# Altium PCB DIOT_temperature_logger.PcbDoc (part 8 of 8) (continued)
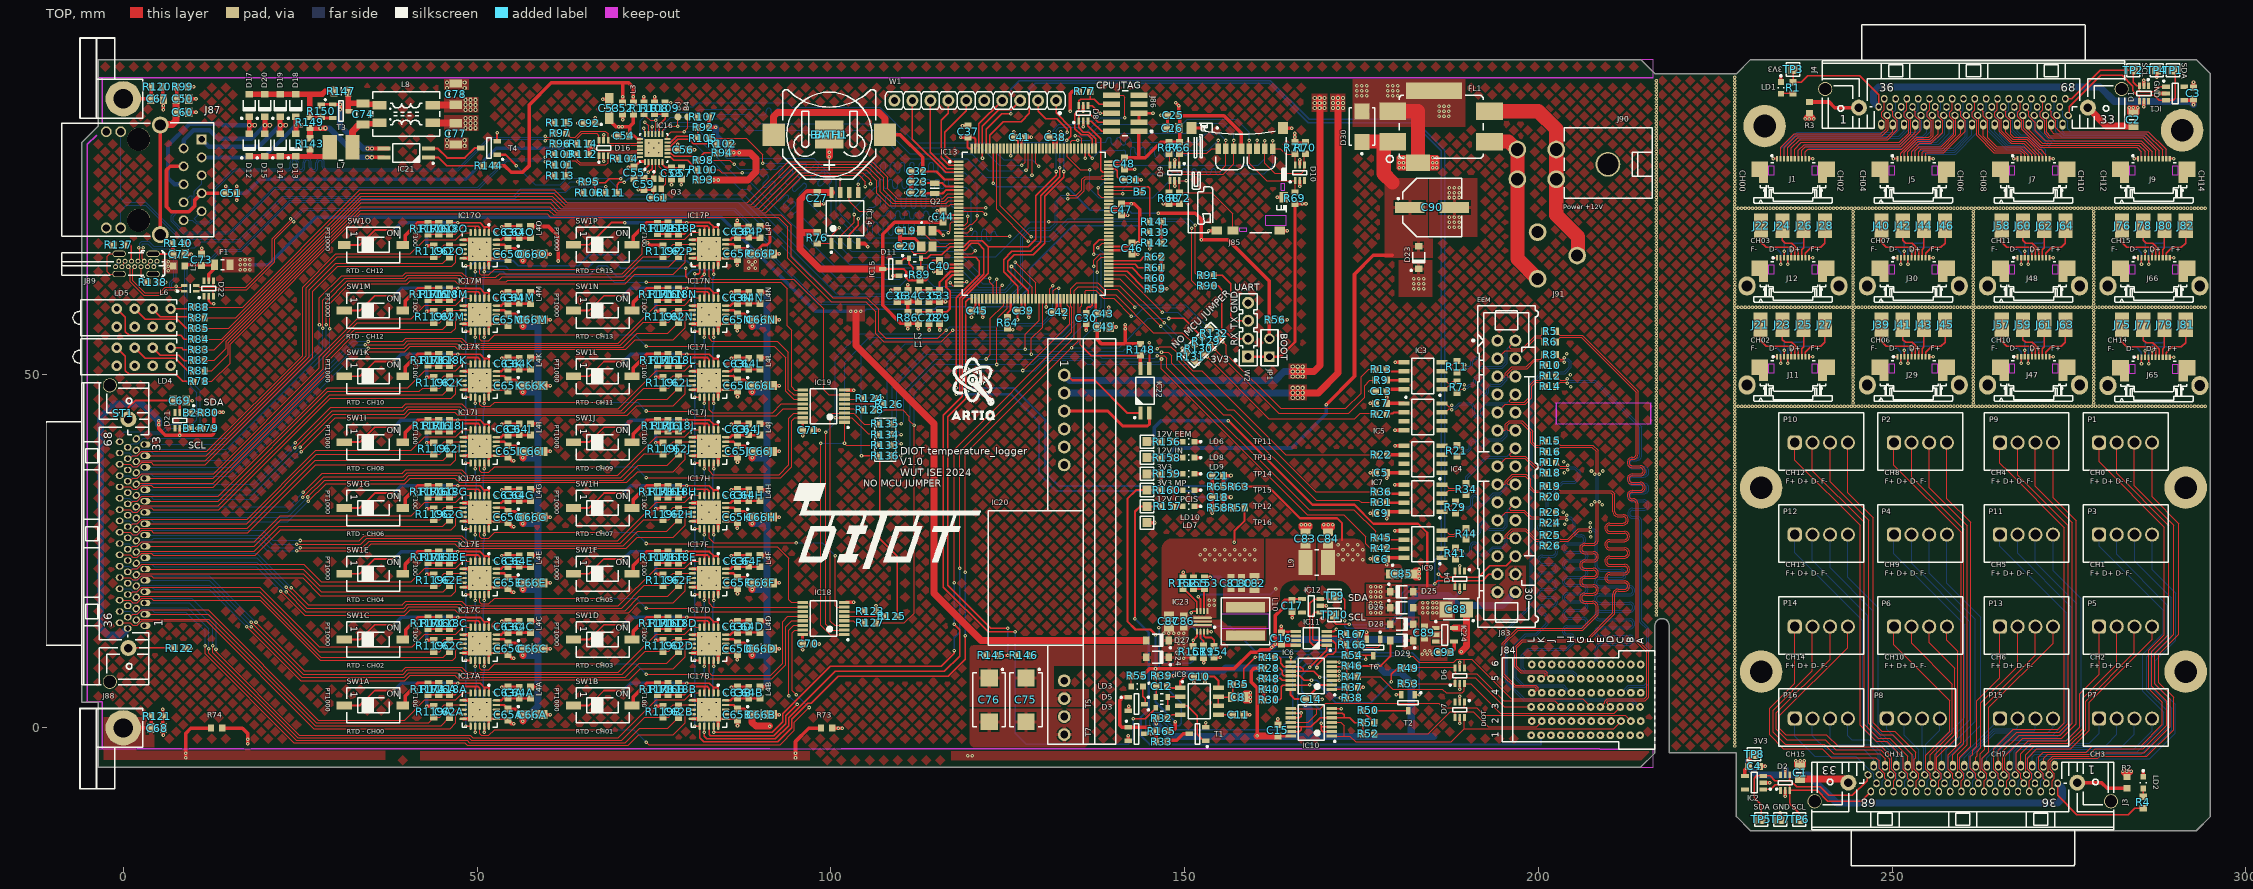
[diagram p0: TOP view]
## Nets (pads, with @x,y where several pads share a name; then routed paths per layer and width w, separated by ;. In a path a pad name is that pad's centre, name@x,y a point inside that pad or via, vN(x,y) a via of type N, cw(c..) or ccw(c..) an arc to the next point about the centre after c; other vN are vias at no path point) (continued)
  BOT w0.16: v1(2.186,67.85) 2.186,67.942 2.343,68.099 2.343,68.47 2.62,68.746 3.593,68.746 4.308,68.031 6.855,68.031 7.461,67.424 7.461,63.431 6.871,62.841 6.871,62.349 6.965,62.255 7.206,62.255 7.363,62.412 v1(7.455,62.412)
V_RTDA: C63A.2 C64A.2 IC17A.20 L4A.1 | length 5
  TOP w0.35: IC17A.20@52.73,3.875 53.405,3.875 53.705,4.175
  TOP w0.4: 53.705,4.175 L4A.1@57.58,4.175
V_RTDB: C63B.2 C64B.2 IC17B.20 L4B.1 | length 5
  TOP w0.35: IC17B.20@85.13,3.875 85.805,3.875 86.105,4.175 L4B.1@89.98,4.175
V_RTDC: C63C.2 C64C.2 IC17C.20 L4C.1 | length 5
  TOP w0.35: IC17C.20@52.73,13.175 53.405,13.175 53.705,13.475
  TOP w0.4: 53.705,13.475 L4C.1@57.58,13.475
V_RTDD: C63D.2 C64D.2 IC17D.20 L4D.1 | length 5
  TOP w0.35: IC17D.20@85.13,13.175 85.805,13.175 86.105,13.475 L4D.1@89.98,13.475
V_RTDE: C63E.2 C64E.2 IC17E.20 L4E.1 | length 5
  TOP w0.35: IC17E.20@52.73,22.475 53.405,22.475 53.705,22.775
  TOP w0.4: 53.705,22.775 L4E.1@57.58,22.775
V_RTDF: C63F.2 C64F.2 IC17F.20 L4F.1 | length 5
  TOP w0.35: IC17F.20@85.13,22.475 85.805,22.475 86.105,22.775 L4F.1@89.98,22.775
V_RTDG: C63G.2 C64G.2 IC17G.20 L4G.1 | length 5
  TOP w0.35: IC17G.20@52.73,31.775 53.405,31.775 53.705,32.075
  TOP w0.4: 53.705,32.075 L4G.1@57.58,32.075
V_RTDH: C63H.2 C64H.2 IC17H.20 L4H.1 | length 5
  TOP w0.35: IC17H.20@85.13,31.775 85.805,31.775 86.105,32.075 L4H.1@89.98,32.075
V_RTDI: C63I.2 C64I.2 IC17I.20 L4I.1 | length 5
  TOP w0.35: IC17I.20@52.73,41.075 53.405,41.075 53.705,41.375
  TOP w0.4: 53.705,41.375 L4I.1@57.58,41.375
V_RTDJ: C63J.2 C64J.2 IC17J.20 L4J.1 | length 5
  TOP w0.35: IC17J.20@85.13,41.075 85.805,41.075 86.105,41.375 L4J.1@89.98,41.375
V_RTDK: C63K.2 C64K.2 IC17K.20 L4K.1 | length 5
  TOP w0.35: IC17K.20@52.73,50.375 53.405,50.375 53.705,50.675
  TOP w0.4: 53.705,50.675 L4K.1@57.58,50.675
V_RTDL: C63L.2 C64L.2 IC17L.20 L4L.1 | length 5
  TOP w0.35: IC17L.20@85.13,50.375 85.805,50.375 86.105,50.675 L4L.1@89.98,50.675
V_RTDM: C63M.2 C64M.2 IC17M.20 L4M.1 | length 5
  TOP w0.35: IC17M.20@52.73,59.675 53.405,59.675 53.705,59.975
  TOP w0.4: 53.705,59.975 L4M.1@57.58,59.975
V_RTDN: C63N.2 C64N.2 IC17N.20 L4N.1 | length 5
  TOP w0.35: IC17N.20@85.13,59.675 85.805,59.675 86.105,59.975 L4N.1@89.98,59.975
V_RTDO: C63O.2 C64O.2 IC17O.20 L4O.1 | length 5
  TOP w0.35: IC17O.20@52.73,68.95 53.405,68.95 53.705,69.25
  TOP w0.4: 53.705,69.25 L4O.1@57.58,69.25
V_RTDP: C63P.2 C64P.2 IC17P.20 L4P.1 | length 5
  TOP w0.35: 85.805,68.975 86.105,69.275 L4P.1@89.98,69.275
  TOP w0.4: IC17P.20@85.13,68.975 85.805,68.975
VBAT: BATH1.1 C32.2 IC13.6 | length 35.3
  TOP w0.3: C32.2@112.98,78.65 113.005,78.625 114.93,78.625 116.055,77.5 IC13.6@118.055,77.5
  TOP w0.5: BATH1.1@107.653,83.85 109.755,83.85 112.98,80.625 C32.2@112.98,78.65
  TOP w1: BATH1.1@91.907,83.85 91.907,86.408 92.449,86.95 106.805,86.95 107.653,86.102 BATH1.1@107.653,83.85
VBUS: J89.A4 J89.A9 J89.B4 J89.B9 L5.2 | length 2
  TOP w0.152: J89.B9@-0.19,65.17 J89.A4@0.26,65.95 ; J89.B4@3.41,65.17 3.84,65.915 J89.A9@3.86,65.95 J89.A9@3.78,65.95
  BOT w0.3: v1@6.38,64.512 v1@6.38,64.625
  other v1: 6.33,64.625 5.83,64.965 6.33,65.25 5.83,65.525 6.33,65.875
VC+: C77.2 IC20.1 IC22.1 L8.3 | length 219
  TOP w0.254: IC20.1@132.98,49.856 133.408,49.856 134.139,49.125
  TOP w0.3: 134.139,49.125 137.28,49.125 141.905,44.5 IC22.1@143.745,44.5
  TOP w1: L8.3@43.73,85.48 C77.2@46.98,85.48 ; v3@165.281,50.35 v3@165.98,50.35 ; v3@165.981,50.35 168.272,50.35 169.13,51.207 v3@169.13,87.6 ; v3(169.08,87.6) v3(169.081,88.3) v3@169.08,89.001
  MID1 w1: v3(48.38,85.451) v3(49.08,85.45) v3(49.78,85.45) 51.63,85.45 57.555,91.375 167.88,91.375 169.055,90.2 v3@169.055,89.025
  BOT w1: IC20.1@132.98,49.856 133.736,49.1 162.805,49.1 164.055,50.35 165.281,50.35 v3@166.68,50.35 ; v3@169.08,87.601 v3(169.081,88.3) v3@169.08,89
  other v3: 165.28,49.649 165.98,49.648 166.68,49.648 165.281,50.349 165.981,50.349 166.681,50.348 165.281,51.049 165.981,51.048 166.681,51.048 48.38,84.751 49.08,84.75 49.78,84.75 48.38,86.15 49.08,86.15 49.78,86.15 168.38,87.601 169.78,87.6 168.381,88.301 169.781,88.3 168.381,89.001 169.082,89 169.781,89
VC-: C78.2 IC20.2 L8.4 | length 212.5
  TOP w1: L8.4@43.73,88.02 C78.2@46.98,88.02 ; v3(165.281,47.349) 168.905,47.35 171.68,50.125 v3@171.68,89
  MID1 w1: v3@48.38,88.05 51.03,88.05 55.805,92.825 169.255,92.825 171.68,90.4 v3@171.68,89
  BOT w1: IC20.2@132.98,47.316 v3@166.68,47.316 ; v3(171.68,87.6) v3@171.68,89
  other v3: 165.28,46.65 165.98,46.649 166.68,46.649 165.981,47.349 166.681,47.348 165.281,48.049 165.981,48.049 166.681,48.048 48.379,87.35 49.079,87.35 49.779,87.349 170.98,87.601 172.379,87.599 48.38,88.05 49.08,88.05 49.78,88.049 170.981,88.301 171.68,88.3 172.38,88.3 48.38,88.75 49.08,88.75 49.78,88.749 170.981,89.001 171.681,89 172.381,89
VDDA: C28.2 C29.2 IC13.33 L1.2 | length 10.9
  TOP w0.3: L1.2@112.38,58.75 C28.2@113.88,58.75 C29.2@115.38,58.75 116.355,58.75 116.805,59.2 116.805,61.75 116.305,62.25 116.305,63.15 117.155,64 IC13.33@118.055,64
VDDCR: C57.2 C58.2 IC16.6 | length 3.3
  TOP w0.3: IC16.6@76.23,80.05 76.23,79.6 76.68,79.15 C58.2@77.48,79.15 ; C58.2@77.53,79.1 C57.2@78.93,79.1
VIN: C86.2 C87.2 D23.1 D24.1 D25.1 D26.1 D27.1 IC23.1 R57.2 R151.2 R154.1 | length 15.7
  TOP w0.254: v1@150.106,9.93 150.126,9.95 R151.2@151.18,9.95
  TOP w0.3: v1(157.03,26.225) 157.03,27.825 158.48,29.275 R57.2@158.48,31.1
  TOP w0.5: R154.1@154.18,9.95 v1(155.005,9.95)
  BOT w0.254: 149.605,14.4 151.005,14.4 152.43,12.975 152.43,11.167 153.647,9.95 v1(155.005,9.95)
  other v1: 149.18,9.85 149.88,9.85 149.18,10.55 149.88,10.55 149.18,11.25 149.88,11.25 149.18,11.95 149.88,11.95 149.18,12.65 149.88,12.65 147.08,13.35 147.78,13.35 148.48,13.35 149.18,13.35 149.88,13.35 176.28,16.25 176.98,16.25 177.68,16.25 176.28,16.95 176.98,16.95 177.68,16.95 176.28,17.65 176.98,17.65 177.68,17.65 176.28,18.55 176.98,18.55 177.68,18.55 176.28,19.25 176.98,19.25 177.68,19.25 176.28,19.95 176.98,19.95 177.68,19.95 182.38,62.05 183.08,62.05 183.78,62.05 182.38,62.75 183.08,62.75 183.78,62.75 182.38,63.45 183.08,63.45 183.78,63.45
VREF+: C33.2 C35.2 IC13.32 L2.1 | length 7.4
  TOP w0.3: L2.1@112.38,61.85 C33.2@115.38,61.85 115.38,62.975 116.905,64.5 IC13.32@118.055,64.5
XTAL_IN: C19.2 IC13.23 Q1.1 | length 7.2
  TOP w0.171: C19.2@111.38,70.25 Q1.1@112.78,70.25 114.03,69 IC13.23@118.055,69
pads on no net: D1.1 D1.6 D2.1 D2.6 D4.1 D4.6 D7.3 D10.3 D21.3 D21.4 D22.1 D22.6 IC1.5 IC2.5 IC4.1 IC4.2 IC4.7 IC5.3 IC5.5 IC5.6 IC12.5 IC13.7 IC13.29 IC13.34 IC13.49 IC13.70 IC13.74 IC13.87 IC13.88 IC13.89 IC13.90 IC13.92 IC13.93 IC13.96 IC13.97 IC13.118 IC13.119 IC13.122 IC13.123 IC13.124 IC13.125 IC13.132 IC17A.17 IC17A.18 IC17B.17 IC17B.18 IC17C.17 IC17C.18 IC17D.17 IC17D.18 IC17E.17 IC17E.18 IC17F.17 IC17F.18 IC17G.17 IC17G.18 IC17H.17 IC17H.18 IC17I.17 IC17I.18 IC17J.17 IC17J.18 IC17K.17 IC17K.18 IC17L.17 IC17L.18 IC17M.17 IC17M.18 IC17N.17 IC17N.18 IC17O.17 IC17O.18 IC17P.17 IC17P.18 IC20.4 IC20.5 IC20.6 IC20.9 J1.MECH J2.MECH J3.71 J3.72 J4.71 J4.72 J5.MECH J6.MECH J7.MECH J8.MECH J9.MECH J10.MECH J11.MECH J12.MECH J29.MECH J30.MECH J47.MECH J48.MECH J65.MECH J66.MECH J84.A5 J84.B1 J84.B5 J84.B6 J84.C6 J84.D5 J84.E2 J84.E4 J84.E5 J84.F2 J84.F4 J84.G3 J84.H2 J84.H3 J84.H6 J84.I2 J84.I6 J84.J3 J84.K3 J84.K6 J84.L2 J84.L6 J86.7 J86.9 J87.MH1 J87.MH2 J88.71 J88.72 J90.5 J91.2

## Polygon pours and split planes (outlines as drawn)
no net on TOP "COPPER_BALLANCE_TOP" (solid, pour order 253): -6.12,94.501 227.465,94.5 227.465,-5.55 -6.12,-5.55
STRIP2 on TOP "esd1" (solid, pour order 252): 79.931,-4.55 96.998,-4.55 96.998,-3.281 41.998,-3.281 41.998,-4.55
STRIP3 on TOP "STRIP3_L01_P251" (solid, pour order 251): 214.531,-4.55 214.548,-4.55 215.788,-3.31 116.998,-3.31 116.998,-4.55
CHASSIS on TOP "esd1" (solid, pour order 247): -2.752,1.525 4.373,1.525 4.373,-3 36.998,-3 36.998,-4.5 -2.752,-4.5
GND on TOP "GND_L01_P241" (solid, pour order 241): 45.355,91.79 45.355,89.58 48.84,89.58 48.84,91.79
GND on TOP "GND_L01_P242" (solid, pour order 242): 48.72,81.71 48.72,83.54 45.355,83.54 45.355,81.71
GND on TOP "GND_L01_P148" (solid, remove dead copper, pour order 148): 135.555,-2.8 ccw(c135.567,-1.913) 136.455,-1.925 136.455,2.729 119.605,2.729 119.605,-1.925 ccw(c120.48,-1.925) 120.48,-2.8
GND on TOP "TOP-GND" (solid, remove dead copper, pour order 145): 161.18,26.75 161.18,20.4 154.48,20.4 154.48,15.05 146.755,15.05 146.755,25.075 cw(c148.355,25.175) 148.056,26.75
P12V0_EEM on TOP "P12V0_EEM_L01_P144" (solid, remove dead copper, pour order 144): 190.905,18.175 192.543,16.537 198.18,16.537 198.18,22.925 195.955,22.925 195.32,22.29 195.32,21.16 194.485,20.325 180.68,20.325 180.68,18.175
P12V0_POE on TOP "TOP-P12V0_POE" (solid, remove dead copper, pour order 149): 120.221,11.666 ccw(c120.221,11.05) 119.605,11.05 119.605,2.75 136.455,2.75 136.455,5.475 131.53,5.475 131.53,8.8 146.18,8.8 146.18,11.666
VBUS on TOP "VBUS_L01_P199" (solid, pour order 199): 5.563,66.25 7.68,66.25 7.68,64.25 5.563,64.25
P3V3 on TOP "P3V3_L01_P196" (solid, remove dead copper, pour order 196): 87.68,67.7 87.68,64.425 89.83,64.425 89.83,67.7
P12V0_CPCIS on TOP "P12V0_CPCIS_L01_P156" (solid, remove dead copper, pour order 156): 184.78,12.675 186.28,12.675 186.28,13.75 183.23,13.75 183.23,15.825 180.68,15.825 180.68,18 187.405,18 187.405,11.6 184.78,11.6
GND on TOP "GND_L01_P136" (solid, remove dead copper, pour order 136): 188.205,18 184.805,18 184.805,15.3 188.205,15.3
P3V3 on TOP "TOP-P3V3" (solid, remove dead copper, pour order 159): 173.605,15.089 ccw(c175.094,15.089) 175.094,13.6 180.68,13.6 180.68,15.725 175.505,15.725 175.505,20.475 180.68,20.475 180.68,22.625 ccw(c180.205,22.625) 180.205,23.1 176.005,23.1 cw(c176.005,23.6) 175.505,23.6 175.505,25.125 ccw(c173.93,25.175) 173.98,26.75 168.83,26.75 168.83,20.825 171.605,20.825 cw(c171.605,18.825) 173.605,18.825
GND on TOP "GND_L01_P139" (solid, remove dead copper, pour order 139): 186.28,13.65 186.28,12.675 184.78,12.675 184.78,11.6 187.105,11.6 187.105,9.45 183.317,9.45 183.317,13.65
P3V3_MP on TOP "P3V3_MP_L01_P140" (solid, remove dead copper, pour order 140): 180.817,15.7 180.817,11.025 183.18,11.025 183.18,15.7
VIN on TOP "VIN_L01_P143" (solid, remove dead copper, pour order 143): 175.655,20.325 175.655,18.175 180.68,18.175 180.68,20.325
VIN on TOP "VIN_L01_P153" (solid, remove dead copper, pour order 153): 175.655,18 175.655,15.875 180.68,15.875 180.68,18
3V3 on TOP "TOP-3V3" (solid, remove dead copper, pour order 160): 165.418,20.825 ccw(c165.418,18.837) 163.43,18.837 cw(c161.161,18.594) 161.405,16.325 155.43,16.325 155.43,20.25 161.33,20.25 161.33,26.75 168.528,26.75 168.528,20.825
GND on TOP "GND_L01_P172" (solid, remove dead copper, pour order 172): 173.73,84.95 180.98,84.95 189.68,84.95 189.68,91.925 173.73,91.925
VC- on TOP "VC-_L01_P189" (solid, remove dead copper, pour order 189): 164.73,48.46 164.73,46.3 167.28,46.3 167.28,48.46
VC+ on TOP "VC+_L01_P182" (solid, remove dead copper, pour order 182): 164.73,51.45 164.73,49.3 167.28,49.3 167.28,51.45
5V0_USB on TOP "5V0_USB_L01_P173" (solid, remove dead copper, pour order 173): 104.78,57.475 104.78,59.625 102.23,59.625 102.23,57.475
P12V0_IN on TOP "P12V0_IN_L01_P167" (solid, remove dead copper, pour order 167): 178.305,66.45 185.08,66.45 185.08,77.7 178.305,77.7
GND on TOP "GND_L01_P164" (solid, remove dead copper, pour order 164): 184.605,69.4 191.38,69.4 191.38,77.7 184.605,77.7
VC+ on TOP "VC+_L01_P162" (solid, remove dead copper, pour order 162): 167.98,87.05 170.13,87.05 170.13,89.6 167.98,89.6
VC- on TOP "VC-_L01_P163" (solid, remove dead copper, pour order 163): 170.57,87.05 172.73,87.05 172.73,89.6 170.57,89.6
5V0_USB on TOP "5V0_USB_L01_P161" (solid, remove dead copper, pour order 161): 18.53,64.375 18.53,66.525 14.005,66.525 14.005,64.375
NetIC23_2 on TOP "NETIC23_2_L01_P141" (solid, remove dead copper, pour order 141): 155.205,15.275 156.155,14.325 161.505,14.325 161.505,12.325 155.405,12.325 154.18,13.55 154.18,14.35 ccw(c153.705,14.35) 153.705,14.825 151.105,14.825 151.105,15.275
VIN on TOP "VIN_L01_P157" (solid, remove dead copper, pour order 157): 151.03,14.15 ccw(c151.042,13.638) 150.53,13.625 150.53,8.8 146.755,8.8 146.755,15.05 153.855,15.05 153.855,14.125
VC- on TOP "VC-_L01_P150" (solid, remove dead copper, pour order 150): 45.355,89.15 45.355,87 50.18,87 50.18,89.15
VC+ on TOP "VC+_L01_P151" (solid, remove dead copper, pour order 151): 45.355,86.56 45.355,84.4 50.18,84.4 50.18,86.56
VIN on TOP "VIN_L01_P142" (solid, remove dead copper, pour order 142): 180.28,66.1 180.28,60.925 184.98,60.925 184.98,66.1
no net on BOT "COPPER_BALLANCE_BOT" (solid, pour order 181): -6.12,94.501 227.465,94.5 227.465,-5.55 -6.12,-5.55
P3V3 on BOT "P3V3_L04_P179" (solid, remove dead copper, pour order 179): 34.58,57.675 36.48,55.775 36.48,52.45 30.755,46.725 30.757,44.175 30.757,-2.74 178.907,-2.74 178.907,91.875 59.555,91.875 59.555,73.185 32.49,73.185 12.755,53.45 12.755,44.1 15.13,44.1 23.93,52.9 23.93,55.75 25.855,57.675
STRIP3 on BOT "STRIP3_L04_P176" (solid, pour order 176): 214.531,-4.55 214.548,-4.55 215.788,-3.31 116.998,-3.31 116.998,-4.55
STRIP2 on BOT "esd1" (solid, pour order 177): 79.931,-4.55 96.998,-4.55 96.998,-3.281 41.998,-3.281 41.998,-4.55
no net on BOT "esd1" (solid, pour order 178): -2.752,0.94 4.373,0.94 4.373,-3 36.998,-3 36.998,-4.5 -2.752,-4.5
P12V0_CPCIS on BOT "P12V0_CPCIS_L04_P168" (solid, remove dead copper, pour order 168): 187.605,13.05 189.68,10.975 189.68,-5.55 194.417,-5.55 216.519,-5.55 216.519,0.2 195.38,0.2 192.243,3.337 192.243,15.925 188.761,15.925 186.655,18.031 183.631,18.031 ccw(c183.631,17.65) 183.25,17.65 183.25,13.05
VBUS on BOT "VBUS_L04_P165" (solid, remove dead copper, pour order 165): -0.645,62.85 5.705,62.85 6.58,63.725 6.58,66.99 -1.905,66.99 -2.243,66.652 -2.243,64.448
P3V3_CPCIS on BOT "P3V3_CPCIS_L04_P169" (solid, remove dead copper, pour order 169): 187.54,12.75 189.405,10.885 189.405,-2.913 183.25,-2.913 183.25,12.75
VC+ on BOT "VC+_L04_P192" (solid, remove dead copper, pour order 192): 167.98,87.05 170.13,87.05 170.13,89.6 167.98,89.6
VC- on BOT "VC-_L04_P193" (solid, remove dead copper, pour order 193): 170.57,87.05 172.73,87.05 172.73,89.6 170.57,89.6
P3V3_MP on BOT "P3V3_MP_L04_P166" (solid, remove dead copper, pour order 166): 180.817,15.7 183.07,15.7 183.07,11.025 180.817,11.025
VIN on BOT "BOT-VIN" (solid, remove dead copper, pour order 171): 151.28,25.425 cw(c152.63,25.425) 152.63,26.775 159.48,26.775 cw(c159.48,25.075) 161.18,25.075 161.18,22.45 179.022,22.45 181.005,24.444 181.005,64.375 184.53,64.375 184.53,23.825 180.33,19.625 180.33,15.05 150.53,15.05 150.53,9.55 146.755,9.55 146.755,18.475 151.28,23
VC+ on BOT "VC+_L04_P194" (solid, remove dead copper, pour order 194): 164.73,51.45 164.73,49.3 167.28,49.3 167.28,51.45
VC- on BOT "VC-_L04_P197" (solid, remove dead copper, pour order 197): 164.73,48.46 164.73,46.3 167.28,46.3 167.28,48.46
5V0_USB on BOT "5V0_USB_L04_P240" (solid, remove dead copper, pour order 240): 18.53,64.375 18.53,66.525 15.755,66.525 15.755,64.375
VC- on BOT "VC-_L04_P246" (solid, remove dead copper, pour order 246): 47.18,89.15 47.18,87 50.18,87 50.18,89.15
VC+ on BOT "VC+_L04_P250" (solid, remove dead copper, pour order 250): 47.18,86.55 47.18,84.4 50.18,84.4 50.18,86.55
AVDDT_PHY on BOT "AVDDT_PHY_L04_P175" (solid, remove dead copper, pour order 175): 70.755,80.375 71.78,79.35 71.78,77.275 59.555,77.275 59.555,79.2 61.68,79.2 61.68,84.75 59.555,84.75 59.555,86.775 70.755,86.775
GND on MID1 "**00" (solid, remove dead copper, pour order 188): 216.68,-5.595 216.68,94.405 -6.031,94.405 -6.031,-5.595
GND1 on MID1 "GND1_L02_P221" (solid, pour order 221): 227.48,45.45 227.48,-14.6 295.03,-14.6 295.03,45.45 294.48,45.45
GND10 on MID1 "GND10_L02_P211" (solid, pour order 211): 278.48,73.45 278.48,59.45 295.48,59.45 295.48,73.45
GND2 on MID1 "GND2_L02_P203" (solid, pour order 203): 227.48,73.45 295.03,73.45 295.03,94.501 227.48,94.501
GND9 on MID1 "GND9_L02_P222" (solid, pour order 222): 278.48,59.45 278.48,45.45 295.48,45.45 295.48,59.45
GND3 on MID1 "GND3_L02_P213" (solid, pour order 213): 227.48,59.45 227.48,45.45 244.48,45.45 244.48,59.45
GND8 on MID1 "GND8_L02_P209" (solid, pour order 209): 261.48,73.45 261.48,59.45 278.48,59.45 278.48,73.45
GND7 on MID1 "GND7_L02_P217" (solid, pour order 217): 261.48,59.45 261.48,45.45 278.48,45.45 278.48,59.45
GND5 on MID1 "GND5_L02_P215" (solid, pour order 215): 244.48,59.45 244.48,45.45 261.48,45.45 261.48,59.45
GND6 on MID1 "GND6_L02_P207" (solid, pour order 207): 244.48,73.45 244.48,59.45 261.48,59.45 261.48,73.45
GND4 on MID1 "GND4_L02_P204" (solid, pour order 204): 227.48,73.45 227.48,59.45 244.48,59.45 244.48,73.45
VC- on MID1 "VC-_L02_P180" (solid, remove dead copper, pour order 180): 170.57,87.049 172.73,87.049 172.73,89.599 170.57,89.599
VC+ on MID1 "VC+_L02_P185" (solid, remove dead copper, pour order 185): 167.98,87.049 170.13,87.049 170.13,89.599 167.98,89.599
VC+ on MID1 "VC+_L02_P187" (solid, remove dead copper, pour order 187): 47.18,86.55 47.18,84.4 50.18,84.4 50.18,86.55
VC- on MID1 "VC-_L02_P186" (solid, remove dead copper, pour order 186): 47.18,89.15 47.18,87 50.18,87 50.18,89.15
GND on MID2 "GND_L03_P137" (solid, remove dead copper, pour order 137): 216.28,-5.55 216.28,94.45 -5.901,94.45 -5.901,-5.55
GND1 on MID2 "GND1_L03_P224" (solid, pour order 224): 227.48,45.45 227.48,-14.6 295.03,-14.6 295.03,45.45 294.48,45.45
GND10 on MID2 "GND10_L03_P212" (solid, pour order 212): 278.48,73.45 278.48,59.45 295.48,59.45 295.48,73.45
GND2 on MID2 "GND2_L03_P202" (solid, pour order 202): 227.48,73.45 295.03,73.45 295.03,94.501 227.48,94.501
GND9 on MID2 "GND9_L03_P223" (solid, pour order 223): 278.48,59.45 278.48,45.45 295.48,45.45 295.48,59.45
GND3 on MID2 "GND3_L03_P214" (solid, pour order 214): 227.48,59.45 227.48,45.45 244.48,45.45 244.48,59.45
GND8 on MID2 "GND8_L03_P210" (solid, pour order 210): 261.48,73.45 261.48,59.45 278.48,59.45 278.48,73.45
GND7 on MID2 "GND7_L03_P218" (solid, pour order 218): 261.48,59.45 261.48,45.45 278.48,45.45 278.48,59.45
GND5 on MID2 "GND5_L03_P216" (solid, pour order 216): 244.48,59.45 244.48,45.45 261.48,45.45 261.48,59.45
GND6 on MID2 "GND6_L03_P208" (solid, pour order 208): 244.48,73.45 244.48,59.45 261.48,59.45 261.48,73.45
GND4 on MID2 "GND4_L03_P206" (solid, pour order 206): 227.48,73.45 227.48,59.45 244.48,59.45 244.48,73.45

## Keep-outs
TOP:
  lines w0.1: -3.43,91.9 173.21,91.9
KeepOutLayer:
  drawing of 12813 lines, arcs and shapes, not listed

## Other copper
TOP:
  pour cut-out: 155.43,16.325 155.43,15.05 156.155,14.325 161.905,14.325 161.905,16.325
MID2:
  pour cut-out: -3.57,-2.718 216.469,-2.718 216.469,-5.55 -3.57,-5.55
MID1:
  pour cut-out: 92.76,-2.69 93.39,-2.06 100.94,-2.06 101.6,-2.72
  pour cut-out: -3.57,-2.718 216.469,-2.718 216.469,-5.55 -3.57,-5.55
BOT:
  pour cut-out: 96.998,-3.281 96.998,-5.599 116.998,-5.599 116.998,-3.281
  pour cut-out: 36.998,-3.232 36.998,-5.55 41.998,-5.55 41.998,-3.232
  pour cut-out: 126.38,56 126.947,56.567 132.897,56.567 133.468,57.112 136.705,60.35 136.705,67.325 137.555,68.175 139.355,68.175 139.38,68.2 139.38,58.125 141.355,56.15 141.905,56.15 141.905,60.175 152.18,60.175 155.705,56.65 155.705,50.9 130.83,50.9 129.98,50.025 115.78,50.025 114.03,48.275 114.03,38.825 112.65,37.445 99.435,37.445 97.905,38.975 97.905,53.75 100.155,56
  pour cut-out: 76.33,81.8 77.23,82.7 78.955,82.7 102.605,59.05 125.18,59.05 137.055,70.925 139.005,70.925 142.93,74.85 146.355,74.85 148.305,76.8 160.93,76.8 163.08,78.95 163.08,83.6 159.955,86.725 150.13,86.725 149.255,85.85 132.78,85.85 130.13,83.2 112.505,83.2 107.505,88.2 95.38,88.175 94.58,88.975 90.43,88.975 90.005,89.4 76.18,89.4 72.805,86.025 72.805,82.875 73.88,81.8
  pour cut-out: 215.09,-3.211 216.341,-3.211 216.78,-3.65

## Silkscreen, mask and mechanical layers (free items; w line width, h text height)
TopOverlay:
  drawing of 550 lines, arcs and shapes, not listed
  text "SCL" at 285.332,94.023 h0.76 r270
  text "SDA" at 290.932,94.023 h0.76 r270
  text "3V3" at 234.496,93.431 h0.76 r180
  text "GND" at 287.032,91.448 h0.76 r270
  text "CPU JTAG" at 137.505,90.3 h1
  text "CH00" at 228.205,78.8 h1.4 r270
  text "CH02" at 242.005,78.8 h1.4 r270
  text "CH04" at 245.205,78.8 h1.4 r270
  text "CH06" at 259.005,78.8 h1.4 r270
  text "CH08" at 262.205,78.8 h1.4 r270
  text "CH10" at 276.005,78.8 h1.4 r270
  text "CH12" at 279.205,78.8 h1.4 r270
  text "CH14" at 293.05,78.8 h1.4 r270
  text "Power +12V" at 203.53,73.033 h1.14
  text "PT1000" at 60.73,70.752 h1.14 r270
  text "PT1000" at 28.33,70.727 h1.14 r270
  text "PT100" at 73.08,70.75 h1.14 r270
  text "PT100" at 40.68,70.725 h1.14 r270
  text "CH03 / F-      D-      D+     F+" at 229.98,66.975 h1.2
  text "CH07 / F-      D-      D+     F+" at 246.98,66.975 h1.2
  text "CH11 / F-      D-      D+     F+" at 263.98,66.975 h1.2
  text "CH15 / F-      D-      D+     F+" at 280.98,66.975 h1.2
  text "RTD - CH15" at 63.917,63.975 h1.14
  text "RTD - CH12" at 31.53,63.95 h1.14
  text "UART" at 157.005,61.775 h1
  text "PT1000" at 28.33,61.452 h1.14 r270
  text "PT100" at 40.68,61.45 h1.14 r270
  text "PT1000" at 60.73,61.452 h1.14 r270
  text "PT100" at 73.08,61.45 h1.14 r270
  text "EEM" at 191.33,59.883 h1.14
  text "GND" at 157.48,58.575 h1 r90
  text "TX" at 157.505,56.3 h1 r90
  text "BOOT" at 163.58,55.8 h1 r270
  text "RTD - CH12" at 31.53,54.675 h1.14
  text "RTD - CH13" at 63.955,54.675 h1.14
  text "RX" at 157.48,53.975 h1 r90
  text "NO MCU JUMPER" at 148.73,53.475 h1 r45
  text "CH02 / F-      D-      D+     F+" at 229.98,52.975 h1.2
  text "CH06 / F-      D-      D+     F+" at 246.98,52.975 h1.2
  text "CH10 / F-      D-      D+     F+" at 263.98,52.975 h1.2
  text "CH14 / F-      D-      D+     F+" at 280.48,52.938 h1.2
  text "PT1000" at 28.33,52.152 h1.14 r270
  text "PT100" at 40.68,52.15 h1.14 r270
  text "PT1000" at 60.73,52.152 h1.14 r270
  text "PT100" at 73.08,52.15 h1.14 r270
  text "3V3" at 153.68,51.6 h1
  text "SDA" at 11.38,45.525 h1
  text "RTD - CH10" at 31.555,45.375 h1.14
  text "RTD - CH11" at 63.955,45.375 h1.14
  text "PT1000" at 28.33,42.852 h1.14 r270
  text "PT100" at 40.68,42.85 h1.14 r270
  text "PT1000" at 60.73,42.852 h1.14 r270
  text "PT100" at 73.08,42.85 h1.14 r270
  text "12V EEM" at 146.038,41.075 h0.8
  text "SCL" at 9.205,39.475 h1
  text "12V IN" at 146.038,38.7 h0.8
  text "3V3" at 146.038,36.425 h0.8
  text "RTD - CH08" at 31.555,36.075 h1.14
  text "RTD - CH09" at 63.955,36.075 h1.14
  text "DIOT temperature_logger / V1.0 / WUT ISE 2024" at 109.83,35.575 h1.02
  text "CH12 / F+ D+ D- F-" at 234.98,34.199 h1.2
  text "CH8 / F+ D+ D- F-" at 248.98,34.198 h1.2
  text "CH4 / F+ D+ D- F-" at 263.98,34.199 h1.2
  text "CH0 / F+ D+ D- F-" at 277.98,34.199 h1.2
  text "3V3 MP" at 146.038,34.15 h0.8
  text "NO MCU JUMPER" at 104.58,34.05 h1
  text "PT1000" at 28.33,33.552 h1.14 r270
  text "PT100" at 40.68,33.55 h1.14 r270
  text "PT1000" at 60.73,33.552 h1.14 r270
  text "PT100" at 73.08,33.55 h1.14 r270
  text "12V CPCIS" at 146.038,31.875 h0.8
  text "RTD - CH06" at 31.555,26.775 h1.14
  text "RTD - CH07" at 63.955,26.775 h1.14
  text "PT1000" at 28.33,24.252 h1.14 r270
  text "PT100" at 40.68,24.25 h1.14 r270
  text "PT1000" at 60.73,24.252 h1.14 r270
  text "PT100" at 73.08,24.25 h1.14 r270
  text "CH13 / F+ D+ D- F-" at 234.98,21.199 h1.2
  text "CH9 / F+ D+ D- F-" at 248.98,21.199 h1.2
  text "CH5 / F+ D+ D- F-" at 263.98,21.199 h1.2
  text "CH1 / F+ D+ D- F-" at 277.98,21.199 h1.2
  text "SDA" at 173.155,17.9 h1
  text "RTD - CH04" at 31.555,17.475 h1.14
  text "RTD - CH05" at 63.955,17.475 h1.14
  text "SCL" at 173.144,15.144 h1
  text "PT1000" at 28.33,14.952 h1.14 r270
  text "PT100" at 40.68,14.95 h1.14 r270
  text "PT1000" at 60.73,14.952 h1.14 r270
  text "PT100" at 73.08,14.95 h1.14 r270
  text "RTD - CH02" at 31.555,8.175 h1.14
  text "RTD - CH03" at 63.955,8.175 h1.14
  text "CH14 / F+ D+ D- F-" at 234.98,8.15 h1.2
  text "CH10 / F+ D+ D- F-" at 248.98,8.15 h1.2
  text "CH6 / F+ D+ D- F-" at 263.98,8.15 h1.2
  text "CH2 / F+ D+ D- F-" at 277.98,8.15 h1.2
  text "PT1000" at 28.33,5.652 h1.14 r270
  text "PT1000" at 60.73,5.652 h1.14 r270
  text "PT100" at 40.68,5.65 h1.14 r270
  text "PT100" at 73.08,5.65 h1.14 r270
  text "DIOT" at 192.9,0.138 h1.14 r90
  text "RTD - CH01" at 63.955,-1.125 h1.14
  text "RTD - CH00" at 31.555,-1.15 h1.14
  text "3V3" at 230.364,-2.281 h0.76
  text "CH15" at 234.98,-4.378 h1.2
  text "CH11" at 248.98,-4.378 h1.2
  text "CH7" at 263.98,-4.378 h1.2
  text "CH3" at 277.98,-4.378 h1.2
  text "SDA" at 230.432,-11.598 h0.76
  text "GND" at 233.132,-11.598 h0.76
  text "SCL" at 235.832,-11.598 h0.76
BottomOverlay:
  drawing of 542 lines, arcs and shapes, not listed
  text "CH01" at 229.955,78.8 h1.4 r90
  text "CH03" at 243.755,78.8 h1.4 r90
  text "CH05" at 246.955,78.8 h1.4 r90
  text "CH07" at 260.755,78.8 h1.4 r90
  text "CH09" at 263.955,78.8 h1.4 r90
  text "CH11" at 277.755,78.8 h1.4 r90
  text "CH13" at 280.955,78.8 h1.4 r90
  text "CH15" at 294.65,78.8 h1.4 r90
  text "CH01 / F-      D-      D+     F+" at 229.98,66.975 h1.2
  text "CH05 / F-      D-      D+     F+" at 246.98,66.975 h1.2
  text "CH09 / F-      D-      D+     F+" at 263.98,66.975 h1.2
  text "CH13 / F-      D-      D+     F+" at 280.98,66.975 h1.2
  text "CH00 / F-      D-      D+     F+" at 229.98,52.975 h1.2
  text "CH04 / F-      D-      D+     F+" at 246.98,52.975 h1.2
  text "CH08 / F-      D-      D+     F+" at 263.98,52.975 h1.2
  text "CH12 / F-      D-      D+     F+" at 280.98,52.938 h1.2
  text "DIOT temperature_logger / V1.0 / WUT ISE 2024" at 109.705,29 h1.02
TopSolder:
  rectangle: 1.448,-4.947 216.417,-3.15
  rectangle: -0.202,-4.947 1.975,-3.175
  rectangle: -2.379,-4.947 -0.202,-3.15
BottomSolder:
  rectangle: 1.367,-4.947 216.417,-3.15
  rectangle: -0.202,-4.947 1.975,-3.175
  rectangle: -2.379,-4.947 -0.202,-3.15
M1 Bord Milling:
  lines w0.1: 216.469,14.45 cw(c217.469,14.45) 218.469,14.45 218.469,-3.55 ; 216.469,14.462 216.469,-3.55 214.469,-5.55 -3.57,-5.55 -3.57,3.65 -5.9,3.65 -5.9,82.695 -3.57,85.025 -3.57,94.349 -3.469,94.45 214.469,94.45 216.469,92.45 ; 216.469,92.45 227.978,92.45 227.979,92.449 ; 218.519,-3.55 227.98,-3.55 ; 227.979,-3.55 227.979,-12.549 229.98,-14.55 292.98,-14.55 294.98,-12.55 294.98,92.45 292.98,94.45 229.98,94.45 227.98,92.45
M8 Pad Center:
  lines w0.1: 227.979,45.45 294.98,45.45 ; 227.979,73.45 294.98,73.45 ; 227.98,59.45 294.98,59.45 ; 244.48,45.45 244.48,73.45 ; 261.48,45.45 261.48,73.45 ; 278.48,45.45 278.48,73.45

## Text inside footprints (layer, text, board x,y; h text height)
IC20: TopOverlay "1" at 132.43,51.97 h1.2 r270; Mechanical14 "1" at 132.43,51.97 h1.2 r270
J3: TopOverlay "33" at 242.18,-5.425 h1.2 r180; TopOverlay "68" at 247.674,-10.011 h1.2 r180; TopOverlay "1" at 278.68,-5.325 h1.2 r180; TopOverlay "36" at 273.274,-10.011 h1.2 r180; Mechanical14 "33" at 248.359,-3.178 h1.2 r180; Mechanical14 "1" at 273.139,-3.176 h1.2 r180; M8 Pad Center "EDGE OF PCB" at 263.997,-14.471 h1 r180
J4: TopOverlay "33" at 279.38,85.35 h1.2; TopOverlay "68" at 273.786,89.911 h1.2; TopOverlay "1" at 242.58,85.375 h1.2; TopOverlay "36" at 248.186,89.911 h1.2; Mechanical14 "33" at 273.1,83.079 h1.2; Mechanical14 "1" at 248.321,83.077 h1.2; M8 Pad Center "EDGE OF PCB" at 257.463,94.372 h1
J83: TopOverlay "30" at 198.147,19.805 h1.02 r270; Mechanical14 "30" at 198.147,19.805 h1.02 r270
J84: TopOverlay "6" at 194.419,8.6 h1 r90; TopOverlay "5" at 194.419,6.6 h1 r90; TopOverlay "4" at 194.419,4.6 h1 r90; TopOverlay "3" at 194.419,2.6 h1 r90; TopOverlay "2" at 194.419,0.6 h1 r90; TopOverlay "1" at 194.419,-1.4 h1 r90; TopOverlay "L" at 199.469,12.031 h1 r90; TopOverlay "K" at 200.869,11.936 h1 r90; TopOverlay "J" at 202.269,12.126 h1 r90; TopOverlay "I" at 203.669,12.602 h1 r90; TopOverlay "H" at 205.069,11.936 h1 r90; TopOverlay "G" at 206.469,11.888 h1 r90; TopOverlay "F" at 207.869,11.984 h1 r90; TopOverlay "E" at 209.269,11.984 h1 r90; TopOverlay "D" at 210.669,11.936 h1 r90; TopOverlay "C" at 212.069,11.888 h1 r90; TopOverlay "B" at 213.469,11.936 h1 r90; TopOverlay "A" at 214.869,11.841 h1 r90; DrillDrawing "Diam. 0.5mm +/-0.05" at 215.119,12.95 h1 r180; DrillDrawing "PRESS-FIT TECHNOLOGY" at 215.119,11.45 h1 r180; Mechanical14 "6" at 194.419,8.6 h1 r90; Mechanical14 "5" at 194.419,6.6 h1 r90; Mechanical14 "4" at 194.419,4.6 h1 r90; Mechanical14 "3" at 194.419,2.6 h1 r90; Mechanical14 "2" at 194.419,0.6 h1 r90; Mechanical14 "1" at 194.419,-1.4 h1 r90; Mechanical14 "L" at 199.469,-3.25 h1 r90; Mechanical14 "K" at 200.869,-3.25 h1 r90; Mechanical14 "J" at 202.269,-3.25 h1 r90; Mechanical14 "I" at 203.669,-3 h1 r90; Mechanical14 "H" at 205.069,-3.25 h1 r90; Mechanical14 "G" at 206.469,-3.25 h1 r90; Mechanical14 "F" at 207.869,-3.25 h1 r90; Mechanical14 "E" at 209.269,-3.25 h1 r90; Mechanical14 "D" at 210.669,-3.25 h1 r90; Mechanical14 "C" at 212.069,-4.25 h1 r90; Mechanical14 "B" at 213.469,-4.25 h1 r90; Mechanical14 "A" at 214.869,-4.25 h1 r90; M8 Pad Center "Edge of Daugher Card" at 217.219,0.725 h0.5 r90; M8 Pad Center "Top Surface of Mother Board" at 228.719,-0.425 h0.5 r90
J88: TopOverlay "36" at -1.531,14.156 h1.2 r90; TopOverlay "1" at 5.605,14.275 h1.2 r90; TopOverlay "68" at -1.531,39.756 h1.2 r90; TopOverlay "33" at 5.302,39.07 h1.2 r90; Mechanical14 "1" at 5.304,14.291 h1.2 r90; Mechanical14 "33" at 5.302,39.07 h1.2 r90; M8 Pad Center "EDGE OF PCB" at -5.992,23.433 h1 r90
J90: Mechanical14 "1" at 201.571,84.11 h1.2 r270
LD4: Mechanical14 "A" at -1.711,52.119 h1 r90; Mechanical14 "B" at 0.829,52.119 h1 r90; Mechanical14 "C" at 3.369,52.119 h1 r90; Mechanical14 "D" at 5.909,52.119 h1 r90; Mechanical14 "C" at 7.96,50.799 h1; Mechanical14 "A" at 7.96,53.339 h1
LD5: Mechanical14 "A" at 7.96,58.839 h1; Mechanical14 "C" at 7.96,56.299 h1; Mechanical14 "D" at 5.909,57.619 h1 r90; Mechanical14 "C" at 3.369,57.619 h1 r90; Mechanical14 "B" at 0.829,57.619 h1 r90; Mechanical14 "A" at -1.711,57.619 h1 r90
SW1A: TopOverlay "1" at 32.18,5.08 h1 r270; TopOverlay "ON" at 37.233,4.403 h0.89; Mechanical14 "ON" at 37.895,4.064 h1 r270
SW1B: TopOverlay "1" at 64.58,5.08 h1 r270; TopOverlay "ON" at 69.633,4.403 h0.89; Mechanical14 "ON" at 70.295,4.064 h1 r270
SW1C: TopOverlay "1" at 32.18,14.38 h1 r270; TopOverlay "ON" at 37.233,13.703 h0.89; Mechanical14 "ON" at 37.895,13.364 h1 r270
SW1D: TopOverlay "1" at 64.58,14.38 h1 r270; TopOverlay "ON" at 69.633,13.703 h0.89; Mechanical14 "ON" at 70.295,13.364 h1 r270
SW1E: TopOverlay "1" at 32.18,23.68 h1 r270; TopOverlay "ON" at 37.233,23.003 h0.89; Mechanical14 "ON" at 37.895,22.664 h1 r270
SW1F: TopOverlay "1" at 64.58,23.68 h1 r270; TopOverlay "ON" at 69.633,23.003 h0.89; Mechanical14 "ON" at 70.295,22.664 h1 r270
SW1G: TopOverlay "1" at 32.18,32.98 h1 r270; TopOverlay "ON" at 37.233,32.303 h0.89; Mechanical14 "ON" at 37.895,31.964 h1 r270
SW1H: TopOverlay "1" at 64.58,32.98 h1 r270; TopOverlay "ON" at 69.633,32.303 h0.89; Mechanical14 "ON" at 70.295,31.964 h1 r270
SW1I: TopOverlay "ON" at 37.233,41.603 h0.89; TopOverlay "1" at 32.18,42.28 h1 r270; Mechanical14 "ON" at 37.895,41.264 h1 r270
SW1J: TopOverlay "1" at 64.58,42.28 h1 r270; TopOverlay "ON" at 69.633,41.603 h0.89; Mechanical14 "ON" at 70.295,41.264 h1 r270
SW1K: TopOverlay "1" at 32.18,51.58 h1 r270; TopOverlay "ON" at 37.233,50.903 h0.89; Mechanical14 "ON" at 37.895,50.564 h1 r270
SW1L: TopOverlay "1" at 64.58,51.58 h1 r270; TopOverlay "ON" at 69.633,50.903 h0.89; Mechanical14 "ON" at 70.295,50.564 h1 r270
SW1M: TopOverlay "1" at 32.18,60.88 h1 r270; TopOverlay "ON" at 37.233,60.203 h0.89; Mechanical14 "ON" at 37.895,59.864 h1 r270
SW1N: TopOverlay "1" at 64.58,60.88 h1 r270; TopOverlay "ON" at 69.633,60.203 h0.89; Mechanical14 "ON" at 70.295,59.864 h1 r270
SW1O: TopOverlay "ON" at 37.233,69.478 h0.89; TopOverlay "1" at 32.18,70.155 h1 r270; Mechanical14 "ON" at 37.895,69.139 h1 r270
SW1P: TopOverlay "1" at 64.58,70.18 h1 r270; TopOverlay "ON" at 69.633,69.503 h0.89; Mechanical14 "ON" at 70.295,69.164 h1 r270